# Altium PCB smart.PcbDoc (part 1 of 5) (continued)
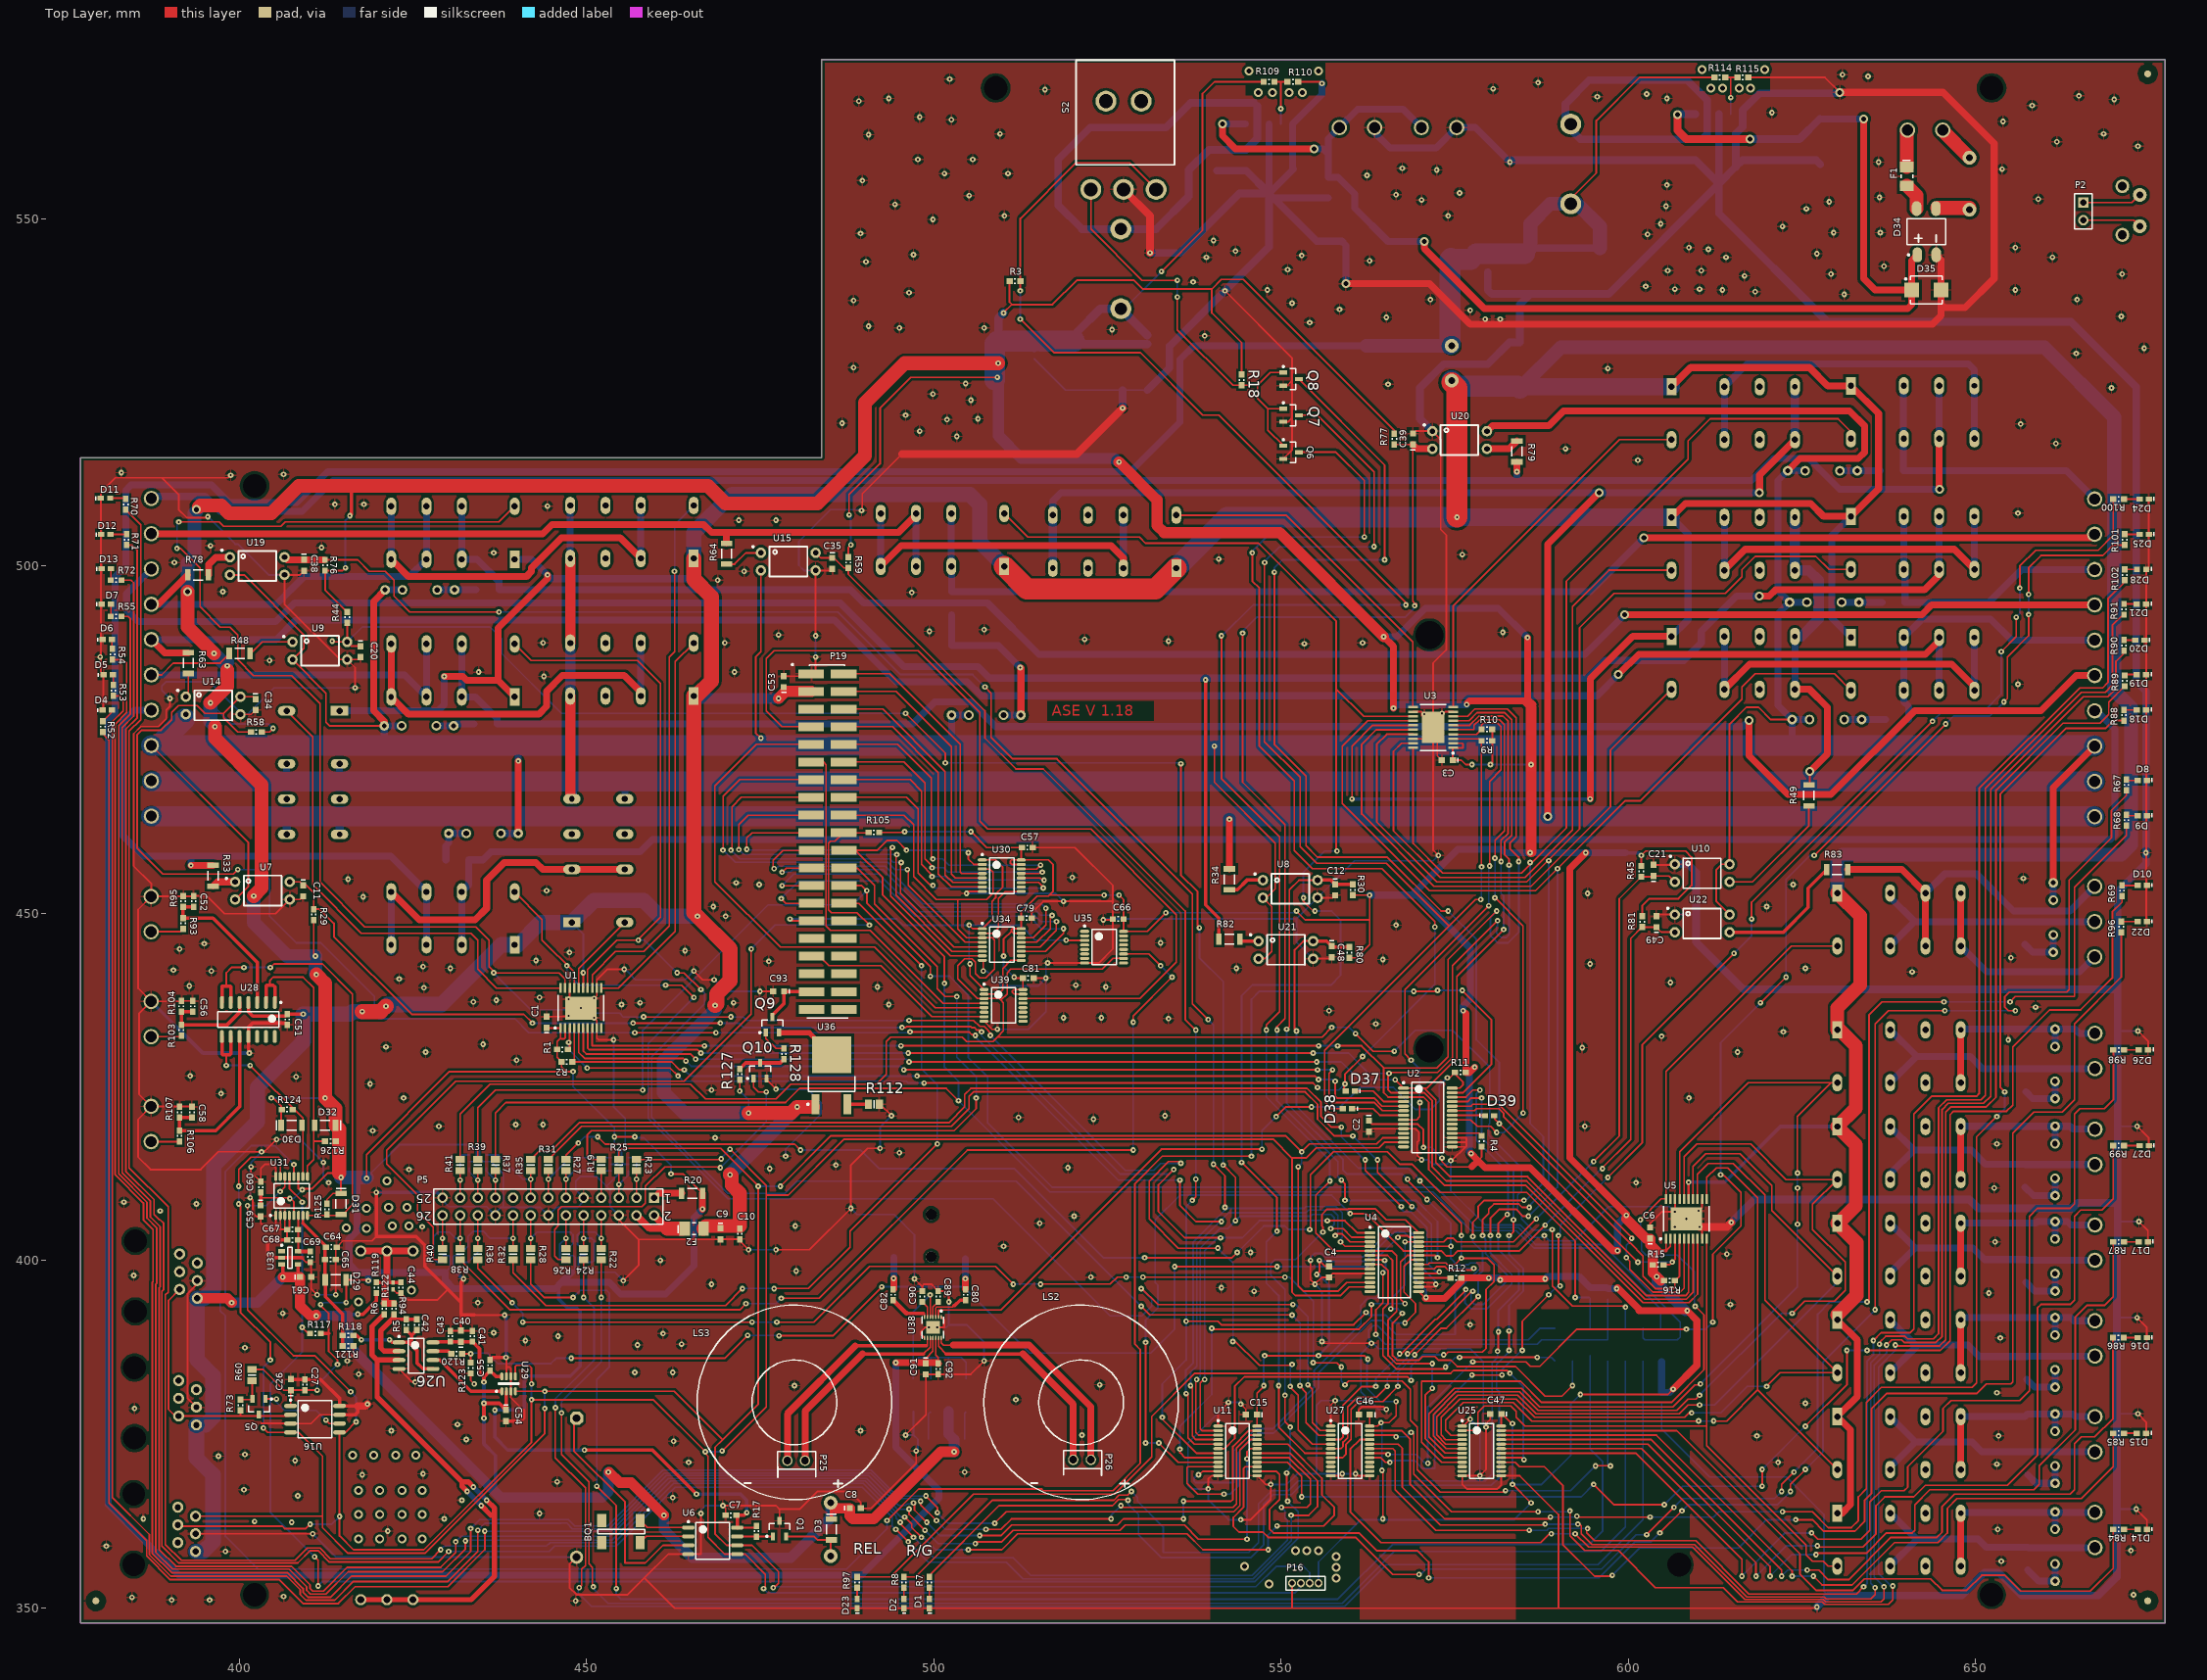
[diagram p0: Top Layer view]
## Components (designator, comment, footprint, x,y, rotation, side; value= is the part's Value field where it differs from the comment) (continued)
R20 "Res" 1206 465.201,409.702 r0 top
R22 "Res" 6-0805_L 452.12,400.939 r270 top
R23 "Res" 6-0805_L 457.2,413.766 r270 top
R24 "Res" 6-0805_L 449.58,400.939 r270 top
R25 "Res" 6-0805_L 454.66,413.766 r270 top
R26 "Res" 6-0805_L 447.04,400.939 r270 top
R27 "Res" 6-0805_L 447.04,413.766 r270 top
R28 "Res" 6-0805_L 441.96,400.939 r270 top
R29 "Resistor" 0603 410.718,449.834 r90 top
R30 "Resistor" 0603 560.324,453.39 r90 top
R31 "Res" 6-0805_L 444.5,413.766 r270 top
R32 "Res" 6-0805_L 439.42,400.939 r270 top
R33 "Resistor" 1206 396.24,455.422 r270 top
R34 "Resistor" 1206 542.544,454.914 r270 top
R35 "Res" 6-0805_L 441.96,413.766 r270 top
R36 "Res" 6-0805_L 434.34,400.939 r270 top
R37 "Res" 6-0805_L 436.88,413.766 r270 top
R38 "Res" 6-0805_L 431.8,400.939 r270 top
R39 "Res" 6-0805_L 434.34,413.766 r270 top
R40 "Res" 6-0805_L 429.26,400.939 r270 top
R41 "Res" 6-0805_L 431.8,413.766 r270 top
R42 "Res" RESMELF3614N 657.098,447.167 r90 bottom
R43 "Res" RESMELF3614N 637.921,513.715 r0 bottom
R44 "Resistor" 0603 415.544,492.633 r270 top
R45 "Resistor" 0603 601.853,456.057 r270 top
R46 "Res" RESMELF3614N 431.419,457.708 r0 bottom
R47 "Res" RESMELF3614N 657.479,357.124 r90 bottom
R48 "Resistor" 1206 400.05,487.426 r0 top
R49 "Resistor" 1206 625.983,466.979 r270 top
R50 "Res" RESMELF3614N 435.483,477.266 r0 bottom
R51 "Res" RESMELF3614N 657.479,370.84 r90 bottom
R52 "Res" 0603 380.365,476.885 r270 top
R53 "Res" 0603 381.889,482.092 r270 top
R54 "Res" 0603 381.762,487.299 r270 top
R55 "Res" 0603 382.27,492.76 r0 top
R56 "Res" RESMELF3614N 638.683,477.901 r0 bottom
R57 "Res" RESMELF3614N 657.352,384.556 r90 bottom
R58 "Resistor" 0603 402.463,476.123 r180 top
R59 "Resistor" 0603 487.68,500.507 r270 top
R60 "Resistor" 6-0805_L 401.828,383.54 r270 top
R61 "Res" RESMELF3614N 435.737,496.57 r0 bottom
R62 "Res" RESMELF3614N 657.225,398.526 r90 bottom
R63 "Resistor" 1206 392.684,486.029 r270 top
R64 "Resistor" 1206 470.154,501.777 r270 top
R65 "Res" RESMELF3614N 638.175,494.792 r0 bottom
R66 "Res" RESMELF3614N 657.098,412.242 r90 bottom
R67 "Res" 0603 671.703,468.503 r90 top
R68 "Res" 0603 671.703,463.423 r90 top
R69 "Res" 0603 671.068,453.263 r90 top
R70 "Res" 0603 383.667,508.889 r90 top
R71 "Res" 0603 383.794,503.809 r90 top
R72 "Res" 0603 382.27,497.967 r180 top
R73 "Resistor" 0603 400.177,379.222 r270 top
R74 "Res" RESMELF3614N 502.539,494.665 r90 bottom
R75 "Res" RESMELF3614N 657.225,425.958 r90 bottom
R76 "Resistor" 0603 412.369,500.126 r90 top
R77 "Resistor" 0603 566.293,518.287 r270 top
R78 "Resistor" 1206 394.081,498.729 r0 top
R79 "Resistor" 1206 583.946,516.509 r90 top
R80 "Resistor" 0603 559.816,444.373 r90 top
R81 "Resistor" 0603 601.98,448.818 r270 top
R82 "Resistor" 1206 542.544,446.278 r0 top
R83 "Resistor" 1206 630.047,456.311 r180 top
R84 "Res" 0603 670.56,361.315 r180 top
R85 "Res" 0603 670.56,375.158 r180 top
R86 "Res" 0603 670.533,388.92 r180 top
R87 "Res" 0603 670.56,402.717 r180 top
R88 "Res" 0603 671.322,478.536 r270 top
R89 "Res" 0603 671.449,483.489 r270 top
R90 "Res" 0603 671.322,488.569 r270 top
R91 "Res" 0603 671.322,493.776 r270 top
R93 "Res" 0603 391.922,448.564 r270 top
R94 "Resistor" 0603 422.275,393.065 r90 top
R95 "Resistor" 0603 391.922,451.739 r90 top
R96 "Res" 0603 670.941,448.056 r90 top
R97 "Res" 0603 488.95,353.695 r270 top
R98 "Res" 0603 670.587,430.357 r0 top
R99 "Res" 0603 670.56,416.56 r0 top
R100 "Res" 0603 670.56,509.651 r0 top
R101 "Res" 0603 671.449,503.809 r90 top
R102 "Res" 0603 671.449,498.729 r90 top
R103 "Res" 0603 391.668,433.197 r270 top
R104 "Resistor" 0603 391.668,436.626 r90 top
R105 "Resistor" 0603 491.363,461.645 r180 top
R106 "Res" 0603 391.414,417.957 r270 top
R107 "Resistor" 0603 391.414,421.386 r90 top
R109 "Res" 0603 548.259,569.722 r0 top
R110 "Resistor" 0603 551.688,569.722 r180 top
R112 "Res" 6-0805_L 491.363,422.529 r180 top
R113 "Resistor" 0603 503.682,374.269 r0 bottom
R114 "Res" 0603 613.156,570.357 r0 top
R115 "Resistor" 0603 616.458,570.357 r180 top
R116 "Resistor" 0603 498.475,374.269 r180 bottom
R117 "Resistor" 0603 410.972,389.509 r180 top
R118 "Resistor" 0603 415.671,389.255 r0 top
R119 "Resistor" 0603 419.735,396.113 r90 top
R120 "Resistor" 0603 431.292,386.588 r180 top
R121 "Resistor" 0603 415.671,387.731 r180 top
R122 "Blob" 0402 422.148,396.367 r270 top
R123 "Resistor" 0603 433.324,384.556 r90 top
R124 "Res" 0603 406.908,421.767 r180 top
R125 "Res" 0603 412.623,407.416 r90 top
R126 "Res" 0603 413.131,417.195 r0 top
R127 "Res" 0603 472.059,426.847 r270 top
R128 "Res" 0603 478.409,429.768 r270 top
RT1 "Thermistor" MF72-010D11 649.097,558.8 r270 bottom
S1 "Button Button" BUTTON 673.608,551.18 r270 bottom
S2 "SW-SPDT" R_SPDT 527.304,554.228 r0 top
U1 "Driver" TSOP65P650X110_HS-20L 449.199,436.372 r90 top
U2 "Register" SOP65P780X200_HS-28L 571.119,420.624 r0 top
U3 "Driver" TSOP65P650X110_HS-20L 571.881,476.758 r180 top
U4 "Register" SOP65P780X200_HS-28L 566.293,399.796 r0 top
U5 "Driver" TSOP65P650X110_HS-20L 608.33,406.019 r90 top
U6 "DS1338" SOIC8 475.234,355.854 r0 top
U7 "TLP620" TLP620 399.415,454.533 r0 top
U8 "TLP620" TLP620 547.37,454.787 r0 top
U9 "TLP620" TLP620 407.67,489.077 r0 top
U10 "TLP620" TLP620 614.553,454.533 r180 top
U11 "SN74LVC828ADGVR" 24-TFSOP 543.736,372.618 r0 top
U12 "CM1293A-04SO" SC74 454.787,413.893 r180 bottom
U13 "CM1293A-04SO" SC74 448.618,400.739 r180 bottom
U14 "TLP620" TLP620 392.303,481.203 r0 top
U15 "TLP620" TLP620 475.107,501.904 r0 top
U16 "DS2482S-100" SOIC8 417.957,373.38 r0 top
U17 "CM1293A-04SO" SC74 434.34,414.274 r180 bottom
U18 "CM1293A-04SO" SC74 430.584,400.739 r180 bottom
U19 "TLP620" TLP620 398.653,501.269 r0 top
U20 "TLP620" TLP620 579.628,516.89 r180 top
U21 "TLP620" TLP620 546.735,446.024 r0 top
U22 "TLP620" TLP620 614.553,447.294 r180 top
U25 "SN74LVC828ADGVR" 24-TFSOP 578.866,372.618 r0 top
U26 "TLC272BCDR" SO8 425.45,386.334 r0 top
U27 "SN74LVC828ADGVR" 24-TFSOP 559.943,372.618 r0 top
U28 "LMC660" SOIC14 401.32,434.721 r270 top
U29 "AD5245" SOT23-8 438.785,382.27 r90 top
U30 "74HC4094" 16TSSOP 509.778,455.422 r0 top
U31 "AD7993" 16TSSOP 407.543,409.321 r90 top
U32 "LM2576" DDPAK 548.259,557.403 r270 bottom
U33 "LM4132AMF-3.3/NOPB" SOT23-5 407.289,400.431 r0 top
U34 "74HC4094" 16TSSOP 509.778,445.516 r0 top
U35 "74HC4040" 16TSSOP 524.51,445.135 r0 top
U36 "NSI45060" DPAK3 485.267,426.72 r90 top
U37 "LM2576" DDPAK 613.029,558.8 r270 bottom
U38 "MAX98306" TDFN14 499.872,390.398 r270 top
U39 "74HC4094" 16TSSOP 510.032,436.753 r0 top
U40 "TGS5042" TGS5042-A00 421.259,376.301 r180 bottom

## Footprints (in the part's own frame and the unit in brackets; to place one, negate y for a bottom-side part, rotate by r counter-clockwise, add the part's x,y. Pads: shape width x height; smd on the part's side, far side on the other; paste and mask are expansions set on the pad)
2pin_socket [mm] "therminal blocks header"
  round 2.2 hole 1.6: 1(-0.04,-0.02) 2(5.04,-0.02)
  silkscreen extent -2.65,-9.98 7.75,2.05, body extent -2.65,-9.96 7.69,2.05, height 8.1
3pin_socket [mm] "therminal blocks header"
  round 2.2 hole 1.6: 1(0,0) 2(5.08,0) 3(10.16,0)
  silkscreen extent -2.61,-9.94 12.75,2.07, body extent -2.61,-9.94 12.72,2.07, height 8.1
6-0805_L [mm] "Chip Resistor, Body 2.0x1.2mm, IPC High Density"
  rect 1x1.3 smd: 1(-0.8,0) 2(0.8,0)
  silkscreen extent 0,-0.55 0,0.55, body extent -1.07,-0.7 1.07,0.7, height 0.7
10pin_socket [mm] "therminal blocks header"
  round 2.2 hole 1.6: 1(0,0) 2(5.08,0) 3(10.16,0) 4(15.24,0) 5(20.32,0) 6(25.4,0) 7(30.48,0) 8(35.56,0) 9(40.64,0) 10(45.72,0)
  silkscreen extent -2.61,-9.94 48.25,2.07, body extent -2.61,-9.94 48.23,2.07, height 8.1
16TSSOP [mm]
  oval 1.3x0.45 smd: 1(-2.8,2.275) 2(-2.8,1.625) 3(-2.8,0.975) 4(-2.8,0.325) 5(-2.8,-0.325) 6(-2.8,-0.975) 7(-2.8,-1.625) 8(-2.8,-2.275) 9(2.8,-2.275) 10(2.8,-1.625) 11(2.8,-0.975) 12(2.8,-0.325) 13(2.8,0.325) 14(2.8,0.975) 15(2.8,1.625) 16(2.8,2.275)
  silkscreen extent -2.92,-2.55 1.75,3.17, body extent -2.25,-2.55 2.25,2.55, height 1.2
24-TFSOP [mm]
  oval 1.4x0.45 smd: 1(-2.8,3.575) 2(-2.8,2.925) 3(-2.8,2.275) 4(-2.8,1.625) 5(-2.8,0.975) 6(-2.8,0.325) 7(-2.8,-0.325) 8(-2.8,-0.975) 9(-2.8,-1.625) 10(-2.8,-2.275) 11(-2.8,-2.925) 12(-2.8,-3.575) 13(2.8,-3.575) 14(2.8,-2.925) 15(2.8,-2.275) 16(2.8,-1.625) 17(2.8,-0.975) 18(2.8,-0.325) 19(2.8,0.325) 20(2.8,0.975) 21(2.8,1.625) 22(2.8,2.275) 23(2.8,2.925) 24(2.8,3.575)
  silkscreen extent -2.92,-3.95 1.7,4.47, body extent -2.25,-3.95 2.25,3.95, height 1.2
0402 [mm] "Chip Capacitor, Body 1.0x0.5mm, IPC High Density"
  rect 0.6x0.5 smd: 1(-0.5,0) 2(0.5,0)
  body extent -0.55,-0.3 0.55,0.3, height 1.3
0603 [mm] "0603, 2-Leads, Body 1,6x0,8mm, IPC High Density"
  rect 0.9x0.8 smd: 1(-0.775,0) 2(0.775,0)
  silkscreen extent -0.1,-0.3 0.1,0.3, body extent -0.8,-0.4 0.8,0.4, height 0.5
1206 [mm] "1206, 2-Leads, Body 3,2x1,6mm, IPC High Density"
  rect 0.8x1.65 smd: 1(-1.5,0) 2(1.5,0)
  silkscreen extent -0.7,-0.72 0.7,0.72, body extent -1.6,-0.8 1.6,0.8, height 0.5
AS02808MR [mm] "SPEAKER 8OHM 1W 80DB 28MM"
  silkscreen extent -14,-14 14,14
audio [mm] "CONN JACK STEREO 3POS 3.5MM SMD"
  rect 2.9x1.75 smd: 1(-3.05,5.35)
  rect 2.9x2.25 smd: 2(3.3,-4.925)
  rect 2.1x1.75 smd: 3(3.15,5.4)
  rect 2.4x2.25 smd: 4(-1.1,-4.925)
  rect 1.8x1.75 smd: 5(0.25,5.4)
  round 1.6 hole 1.6: 7(-3.05,0) 8(3.05,0)
  silkscreen extent -7.4,-4.52 5.2,5, body extent -7.27,-4.4 5.07,4.87, height 5
az8222 [mm] "DPDT relay"
  rect 2.5x1.4 hole 0.9: 1(0.85,12.3)
  oval 2.5x1.4 hole 0.9: 4(0.85,4.68) 6(0.85,-0.4) 9(8.47,-5.475) 11(8.47,-0.4) 13(8.47,4.68) 16(8.47,12.3)
  oval 2.5x1.4 hole 0.8: 8(0.85,-5.475)
  silkscreen extent 2.94,-6.07 6.39,13.57, body extent 0.1,-6.75 9.25,14.25, height 11.5
B32521C3104K [mm] "CAP FILM 0.1UF 250VDC RADIAL"
  round 1.4 hole 0.7: 1(0,0) 2(10,0)
  round 1.4 hole 0.8: 1(2.5,0) 2(7.5,0)
  silkscreen extent -1.53,-2.07 11.53,2.02, body extent -1.53,-2.05 11.55,2.02, height 7
BAT_CON [mm]
  round 1.5 hole 1.1: 1(0,0) 2(2.54,0)
  silkscreen extent -1.55,-1.33 3.92,1.25
BS-3 [mm] "Lithium battery CR2032 holder"
  oct 1.9x1.9 hole 1.1: 1(0,0)
  round 1.9 hole 1.1: 2(20,0)
  silkscreen extent -2.4,-11.5 25,11.5, body extent -2.4,-11.55 25.03,11.4, height 6.75
BUTTON [mm] "SWITCH TACTILE SPST-NO 0.05A 12V"
  round 2 hole 1: 1(-2.25,0) 2(2.25,0)
  round 2 hole 1.3: 3(-3.5,2.5) 4(3.5,2.5)
  silkscreen extent -4.23,-3.67 4.23,4.1, body extent -4.1,-3.55 4.1,3.98, height 7.1
C0805 [mm] "Molded Capacitor, 2-Leads, Body 2,0x1,3mm, IPC High Density"
  rect 0.9x0.85 smd: 1(-0.8,0) 2(0.8,0)
  silkscreen extent -1.55,-0.33 -1.55,0.33, body extent -1,-0.63 1,0.63, height 1.1
C1206 [mm]
  rect 1.5x2 smd: 1(-1.325,0) 2(1.375,0)
  silkscreen extent -2.29,-0.85 0.25,0.85, body extent -1.6,-0.8 1.6,0.8, height 1.7
CDBHM2100L-HF [mm] "BRIDGE RECTIFIER 100V 2A MBS2"
  oval 2.15x1.4 smd: 1(-4.21,2.56) 2(2.44,2.65) 3(-4.22,-0.17) 4(2.44,-0.12)
  silkscreen extent -4.33,-1.55 0.97,4.01, body extent -2.95,-1.66 1.15,4.03, height 2.7
CEP2242 [mm] "BUZZER PIEZO 12V 13.7MM RADIAL"
  round 2 hole 1: 1(0,3.825) 2(0,-3.825)
  silkscreen extent -6.85,-6.85 6.85,6.85, body extent -6.8,-6.84 6.85,6.84, height 7.6
CON8 [mm] "CONN HEADER 8POS .100\" VERT TIN"
  rect 3.68x1.27 smd: 1(-2.345,3.78) 2(2.33,3.78) 3(-2.345,1.24) 4(2.33,1.24) 5(-2.345,-1.3) 6(2.33,-1.3) 7(-2.345,-3.84) 8(2.33,-3.84)
  silkscreen extent -4.52,-5.12 2.86,5.81, body extent -2.54,-4.98 2.54,4.84, height 7
CON40 [mm] "CONN FMALE 40POS DL .1\" GOLD SMD"
  rect 3.68x1.27 smd: 1(-2.285,11.42) 2(2.39,11.42) 3(-2.285,8.88) 4(2.39,8.88) 5(-2.285,6.34) 6(2.39,6.34) 7(-2.285,3.8) 8(2.39,3.8) 9(-2.285,1.26) 10(2.39,1.26) 11(-2.285,-1.28) 12(2.39,-1.28) 13(-2.285,-3.82) 14(2.39,-3.82) 15(-2.285,-6.36) 16(2.39,-6.36) 17(-2.285,-8.92) 18(2.39,-8.92) 19(-2.285,-11.46) 20(2.39,-11.46) 21(-2.235,-14.005) 22(2.44,-14.005) 23(-2.235,-16.545) 24(2.44,-16.545) 25(-2.235,-19.085) 26(2.44,-19.085) 27(-2.235,-21.625) 28(2.44,-21.625) 29(-2.235,-24.165) 30(2.44,-24.165) 31(-2.235,-26.705) 32(2.44,-26.705) 33(-2.235,-29.245) 34(2.44,-29.245) 35(-2.235,-31.785) 36(2.44,-31.785) 37(-2.235,-34.345) 38(2.44,-34.345) 39(-2.235,-36.885) 40(2.44,-36.885)
  silkscreen extent -5.11,-38.18 3,12.86, body extent -2.55,-38.18 2.53,12.69, height 7
D0603 [mm] "Molded Diode, 2-Leads, Body 1,7x0,9mm, IPC High Density"
  rect 0.9x0.75 smd: 1(-0.675,0) 3(0.675,0)
  silkscreen extent -1.43,-0.28 -1.43,0.28, body extent -0.9,-0.5 0.9,0.5, height 0.85
D1206 [mm] "1206, 2-Leads, Body 3,2x1,6mm, IPC High Density"
  rect 0.8x1.65 smd: 1(-1.5,0) 3(1.5,0)
  silkscreen extent -2.2,-0.72 0.7,0.72, body extent -1.6,-0.8 1.6,0.8, height 0.5
DDPAK [mm] "D2-PAK, 6-Pads, Body 8,7x10,2mm (max), IPC Medium Density"
  rect 2.9x1.1 smd: 1(-6.25,3.4) 2(-6.25,1.7) 3(-6.25,0) 4(-6.25,-1.7) 5(-6.25,-3.4)
  rect 7.9x11 smd: 6(3.75,0)
  silkscreen extent -6.37,-5.1 -0.6,5.1, body extent -2.7,-5.1 6,5.1, height 4.6
DO214AA [mm] "Molded Diode, 2-Leads, Body 4,3x3,6mm, IPC High Density"
  rect 2.1x2.05 smd: 1(-2.1,0) 3(2.15,0)
  silkscreen extent -3.07,-2 2.3,2, body extent -2.29,-1.97 2.28,1.97, height 2.44
DPAK3 [mm] "IC LED DRVR SBT CCR DPAK"
  rect 2.85x1.1 smd: 1(-4.2,2.29) 3(-4.2,-2.29)
  rect 5.3x5.65 smd: 4(2.9,0)
  silkscreen extent -4.32,-3.35 -0.15,3.51, body extent -2.35,-3.37 3.87,3.37, height 2.38
GRPB041VWCN_RC [mm] "CONN HEADER .050\" 4POS PCB R/A"
  oval 1.1x1.2 hole 0.7: 1(0,0) 2(1.275,0) 3(2.55,0) 4(3.825,0)
  silkscreen extent -0.87,-0.97 4.75,0.97, body extent -0.79,-4.82 4.64,-0.62, height 2.14
HDR1X2 [mm] "Connector; Header; 2 Position"
  rect 1.5x1.5 hole 0.9: 1(0,0)
  round 1.5 hole 0.9: 2(2.54,0)
  silkscreen extent -1.27,-1.27 3.81,1.27
HDR2X13 [mm] "Connector; Header; 13x2 Position"
  rect 1.5x1.5 hole 0.9: 1(0,0)
  round 1.5 hole 0.9: 2(0,2.54) 3(2.54,0) 4(2.54,2.54) 5(5.08,0) 6(5.08,2.54) 7(7.62,0) 8(7.62,2.54) 9(10.16,0) 10(10.16,2.54) 11(12.7,0) 12(12.7,2.54) 13(15.24,0) 14(15.24,2.54) 15(17.78,0) 16(17.78,2.54) 17(20.32,0) 18(20.32,2.54) 19(22.86,0) 20(22.86,2.54) 21(25.4,0) 22(25.4,2.54) 23(27.94,0) 24(27.94,2.54) 25(30.48,0) 26(30.48,2.54)
  silkscreen extent -1.27,-1.27 31.75,3.81
IND22 [mm] "INDUCTOR 20UH 2.6A 8095 RAD"
  round 2 hole 1: 1(-2.5,0) 2(2.5,0)
  silkscreen extent -3.9,-3.9 3.9,3.9, body extent -3.87,-3.89 3.9,3.89, height 9.5
JTAG14 [mm] "JTAG, 14-Leads, Body 25,4x5,1mm (max), Pitch 2,54mm, IPC High Density"
  rect 3.68x1.27 smd: 1(-2.275,11.43) 2(2.4,11.43) 3(-2.275,8.89) 4(2.4,8.89) 5(-2.275,6.35) 6(2.4,6.35) 7(-2.275,3.81) 8(2.4,3.81) 9(-2.275,1.27) 10(2.4,1.27) 11(-2.275,-1.27) 12(2.4,-1.27) 13(-2.275,-3.81) 14(2.4,-3.81)
  silkscreen extent -5.1,-5.3 2.55,12.88, body extent -2.54,-5.23 2.54,12.7, height 7
KM_4 [mm] "INDUCTOR PWR TOROID 100UH T/H"
  round 3 hole 1.8: 1(0,0) 2(11.47,0)
  silkscreen extent -2.01,-12.32 13.49,12.32, body extent -2,-12.31 13.46,12.28, height 28
LED0603 [mm] "Molded Diode, 2-Leads, Body 1,7x0,9mm, IPC High Density"
  rect 0.9x0.75 smd: 1(-0.675,0) 2(0.675,0)
  silkscreen extent 1.4,-0.23 1.4,0.32, body extent -0.9,-0.5 0.9,0.5, height 0.85
MF72-010D11 [mm]
  round 2 hole 1: 1(0,0) 2(7.5,0)
  silkscreen extent -1.33,-2.75 8.8,2.83, body extent -1.2,-2.63 8.67,2.7, height 14
R_SPDT [mm] "SWITCH ROCKER SPDT 5A 120V"
  round 3 hole 2: 1(-4.7,0) 2(0,0) 3(4.7,0) 4(-2.525,12.7) 5(2.55,12.7)
  silkscreen extent -6.83,3.52 7.33,18.57, body extent -6.88,3.55 7.27,26.27, height 9.27
RESMELF3614N [mm] "MELF Resistor, 2-Leads, Body 3,6x1,4mm, IPC Medium Density"
  rect 1.25x1.65 smd: 1(-1.65,0) 2(1.65,0)
  silkscreen extent -0.65,-0.82 0.65,0.82, body extent -1.8,-0.7 1.8,0.7, height 1.4
RJ11 [mm] "CONN MOD JACK R/A 6P6C"
  round 1.6 hole 0.9: 1(-3.175,8.9) 2(-1.9,6.35) 3(-0.625,8.9) 4(0.65,6.35) 5(1.9,8.9) 6(3.2,6.35)
  round 1.524 hole 3.3: 9(-5.075,0) 9(5.075,0)
  silkscreen extent -6.7,-7.75 6.7,8.9, body extent -6.58,-7.63 6.58,8.75, height 12.7
SC74 [mm]
  rect 0.85x0.65 smd: 1(-1.225,0.95) 2(-1.225,0) 3(-1.225,-0.95) 4(1.225,-0.95) 5(1.225,0) 6(1.225,0.95)
  silkscreen extent -1.35,-1.5 0.4,1.95, body extent -0.75,-1.5 0.75,1.5, height 1
SO8 [mm] "SOIC, 8-Leads, Body 5,0x4,0mm (max), Pitch 1,27mm, IPC High Density"
  oval 1.85x0.6 smd: 1(-2.45,1.905) 2(-2.45,0.635) 3(-2.45,-0.635) 4(-2.45,-1.905) 5(2.45,-1.905) 6(2.45,-0.635) 7(2.45,0.635) 8(2.45,1.905)
  silkscreen extent -2.57,-2.5 1.12,2.88, body extent -2,-2.5 2,2.5, height 1.75
SOIC8 [mm] "SOIC, 8-Leads, Body 5,3x5,3mm (max), Pitch 1,27mm, IPC High Density"
  oval 1.8x0.6 smd: 1(-10.575,5.715) 2(-10.575,4.445) 3(-10.575,3.175) 4(-10.575,1.905) 5(-3.525,1.905) 6(-3.525,3.175) 7(-3.525,4.445) 8(-3.525,5.715)
  silkscreen extent -10.7,1.16 -4.62,6.69, body extent -9.7,1.16 -4.4,6.46, height 2.65
SOIC14 [mm]
  oval 1.85x0.6 smd: 1(-2.45,3.81) 2(-2.45,2.54) 3(-2.45,1.27) 4(-2.45,0) 5(-2.45,-1.27) 6(-2.45,-2.54) 7(-2.45,-3.81) 8(2.45,-3.81) 9(2.45,-2.54) 10(2.45,-1.27) 11(2.45,0) 12(2.45,1.27) 13(2.45,2.54) 14(2.45,3.81)
  silkscreen extent -2.57,-4.4 1.12,4.79, body extent -2,-4.38 2,4.38, height 1.75
SOJ4 [mm] "CRYSTAL 32.768KHZ 12.5PF SMD"
  rect 1.9x1.3 smd: 1(-1.15,4.6) 2(-1.175,-0.95) 3(2,-0.95) 4(2,4.6)
  silkscreen extent -2.8,-1.5 0.77,5.88, body extent -0.87,-1.6 1.8,5.3, height 2.9
SOP65P780X200_HS-28L [mm] "SOP, 28-Leads, Body 10,2x5,3mm (max), Pitch 0,65mm, IPC High Density"
  oval 1.6x0.45 smd: 1(-3.5,4.225) 2(-3.5,3.575) 3(-3.5,2.925) 4(-3.5,2.275) 5(-3.5,1.625) 6(-3.5,0.975) 7(-3.5,0.325) 8(-3.5,-0.325) 9(-3.5,-0.975) 10(-3.5,-1.625) 11(-3.5,-2.275) 12(-3.5,-2.925) 13(-3.5,-3.575) 14(-3.5,-4.225) 15(3.5,-4.225) 16(3.5,-3.575) 17(3.5,-2.925) 18(3.5,-2.275) 19(3.5,-1.625) 20(3.5,-0.975) 21(3.5,-0.325) 22(3.5,0.325) 23(3.5,0.975) 24(3.5,1.625) 25(3.5,2.275) 26(3.5,2.925) 27(3.5,3.575) 28(3.5,4.225)
  silkscreen extent -3.62,-5.1 2.3,5.12, body extent -2.65,-5.1 2.65,5.1, height 2
SOT23-5 [mm] "SOT23, 5-Leads, Body 3,0x3,0mm (max), Pitch 0,95mm, IPC High Density"
  rect 0.95x0.6 smd: 1(-1.175,0.95) 2(-1.175,0) 3(-1.175,-0.95) 4(1.175,-0.95) 5(1.175,0.95)
  silkscreen extent -1.3,-1.5 0.3,1.92, body extent -0.87,-1.5 0.88,1.5, height 1.45
SOT23-8 [mm]
  oval 1.15x0.45 smd: 1(-1.075,0.975) 2(-1.075,0.325) 3(-1.075,-0.325) 4(-1.075,-0.975) 5(1.075,-0.975) 6(1.075,-0.325) 7(1.075,0.325) 8(1.075,0.975)
  silkscreen extent -1.2,-1.45 0.1,1.87, body extent -0.8,-1.45 0.8,1.45, height 1.3
SOT-23_N [mm] "SOT23, 3-Leads, Body 2.9x1.3mm, Pitch 0.95mm, Lead Span 2.5mm, IPC Medium Density"
  rect 1.15x0.6 smd: 1(-1.125,0.95) 2(-1.125,-0.95) 3(1.125,0)
  silkscreen extent -1.25,-1.5 0.7,1.92, body extent -0.7,-1.5 0.7,1.5, height 1.1
TDFN14 [mm] "IC AMP AUDIO 3.7W STER D 14TDFN"
  oval 0.6x0.2 smd: 1(-1.5,1.2) 2(-1.5,0.8) 3(-1.5,0.4) 4(-1.5,0) 5(-1.5,-0.4) 6(-1.5,-0.8) 7(-1.5,-1.2) 8(1.5,-1.2) 9(1.5,-0.8) 10(1.5,-0.4) 11(1.5,0) 12(1.5,0.4) 13(1.5,0.8) 14(1.5,1.2)
  rect 1.8x2 smd: 15(0,0)
  silkscreen extent -2.47,-1.55 1.55,1.55, body extent -1.55,-1.55 1.55,1.55, height 0.8
TGS5042-A00 [mm]
  round 1.6 hole 1: 0(-3.764,25.1) 0(0,25.1) 0(3.764,25.1) 1(-3.764,-25.1) 1(0,-25.1) 1(3.764,-25.1)
  silkscreen extent -7.1,-23.5 7.1,23.67, body extent -7.07,-23.48 7.05,21.32, height 14
TLP620 [mm] "OPTOISOLATR 5KV TRANSISTOR 4-DIP"
  round 1.5 hole 0.8: 1(0,0) 2(0,-2.54) 3(7.87,-2.54) 4(7.87,0)
  silkscreen extent 1.25,-3.42 6.69,0.91, body extent 1.25,-3.4 6.7,0.9, height 3.7
TSOP65P650X110_HS-20L [mm] "TSOP, 20-Leads, Body 6,6x4,5mm (max), Pitch 0,65mm, IPC High Density"
  rect 1.4x0.35 smd: 1(-2.875,2.925) 2(-2.875,2.275) 3(-2.875,1.625) 4(-2.875,0.975) 5(-2.875,0.325) 6(-2.875,-0.325) 7(-2.875,-0.975) 8(-2.875,-1.625) 9(-2.875,-2.275) 10(-2.875,-2.925) 11(2.875,-2.925) 12(2.875,-2.275) 13(2.875,-1.625) 14(2.875,-0.975) 15(2.875,-0.325) 16(2.875,0.325) 17(2.875,0.975) 18(2.875,1.625) 19(2.875,2.275) 20(2.875,2.925)
  rect 3.3x4.5 smd: 21(0,0)
  silkscreen extent -3,-3.3 1.85,3.82, body extent -2.25,-3.3 2.25,3.3, height 1.1
UUR1H330MCL1GS [mm] "CAP ALUM 33UF 50V 20% SMD"
  rect 2.5x3.8 smd: 1(0.025,3.375) 2(0.025,-3.25)
  silkscreen extent -4.28,-3.58 4.32,4.02, body extent -4.23,-4.72 4.27,4.98, height 10.3

## Part data
BAT1: library part Battery, "Battery holder"
BQ1: library part 6LC:308C, "CRYSTAL 32.768KHZ 12.5PF SMD"
C1 C2 C3 C4 C5 C6 C8 C9 C11 C12 C15 C20 C21 C26 C34 C35 C38 C39 C40 C46 C47 C48 C49 C53 C54 C59 C61 C91 C93: library part Cap, "CAP CER 10UF 10V 20% X5R 0805"
C7 C10 C27 C41 C51 C55 C57 C60 C66 C78 C79 C81 C87 C92: library part Cap, "CAP CER 0.1UF 50V Y5V 0603"
C13 C14 C16 C17 C22 C23 C24 C25 C28 C29 C30 C31 C36 C37: library part Cap, "CAP FILM 0.1UF 250VDC RADIAL"
C18 C19 C32 C33: library part Cap, "CAP CER 0.22UF 50V 10% X7R 0603"
C42 C44: library part Cap, "CAP CER 22UF 6.3V 10% X5R 0603"
C43 C52 C56 C58 C64: library part Cap, "CAP CER 100PF 100V 5% NP0 0603"
C65 C67: library part Cap, "CAP CER 10PF 50V NP0 0603"
C68 C80 C82 C89 C90: library part Cap, "CAP CER 1UF 10V 10% X5R 0603"
C69: library part Cap, "CAP CER 0.1UF 50V 10% X7R 0603"
C70 C83: library part CAP0810Alu, "CAP ALUM 220UF 50V 20% SMD"
C71 C84: library part Cap, "CAP CER 0.1UF 100V 10% X7R 1206"
C76 C77 C85 C86: library part CAP0810Alu, "CAP ALUM 470UF 16V 20% SMD"
C88: library part CAP0810Alu, "CAP ALUM 100UF 35V 20% SMD"
D1 D11 D12 D23 D24 D25: library part LED0, "LED RED CLEAR 0603 SMD"
D2 D6 D10 D20 D22: library part LED0, "LED GREEN CLEAR THIN 0603 SMD"
D3 D29 D30 D31 D32 D33 D36: library part "Diode 10TQ035", "DIODE SCHOTTKY 100V 1A 1206"
D4 D5 D7 D13 D18 D19 D21 D28: library part LED0, "LED BLUE CLEAR THIN 0603 SMD"
D8 D9: library part LED0, "LED YELLOW CLEAR THIN 0603 SMD"
D14 D15 D16 D17 D26 D27: library part LED0, "LED  ORAN CLR THIN 0603 SMD"
D34: library part Bridge1, "BRIDGE RECTIFIER 100V 2A MBS2"
D35: library part "Diode 10TQ035", "TVS DIODE 51VWM 82.4VC SMB"
D37 D38 D39: library part "Diode 10TQ035", "DIODE SCHOTTKY 40V 0.03A 0603"
F1 F2: library part "Fuse 2", "FUSE 2A 63V 1206 SLOW C1S"
J1: "CONN JACK STEREO 3POS 3.5MM SMD"
K1 K2 K3 K4 K5 K6 K7 K8 K9 K10 K11 K12 K13 K14 K15 K16 K17 K18 K19 K20 K21 K22: "5V 2A Relay"
L1 L2: "INDUCTOR PWR TOROID 100UH T/H"
L3: "INDUCTOR 20UH 2.6A 8095 RAD"
LS1: "BUZZER PIEZO 12V 13.7MM RADIAL"
LS2 LS3: "SPEAKER 8OHM 1W 80DB 28MM"
P1: "CONN FEMALE 14POS DL .1\" TIN SMD"
P2: "CONN HDR BRKWAY .100 2POS VERT"
P3 P4: "TERM BLOCK HDR 10POS R/A 5.08MM"
P5: "CONN HEADER 26POS .100 STR 30AU"
P6: "Header, 3-Pin"
P7 P8 P9 P11 P12 P14 P17 P18 P20 P21 P23 P24: "TERM BLOCK HDR 2POS R/A 5.08MM"
P10 P13 P15: "CONN MOD JACK R/A 6P6C"
P16: "CONN HEADER .050\" 4POS PCB R/A"
P19: "CONN FMALE 40POS DL .1\" GOLD SMD"
P22: "CONN HEADER 8POS .100\" VERT TIN"
P25 P26: library part "Header 2", "CONN HEADER VERT 2POS .100 TIN"
Q1 Q5: library part IRLML6302, "HEXFET Power MOSFET"
Q6 Q7 Q8 Q10: library part 2N3904, "TRANSISTOR NPN 40V 200MA SOT-23"
Q9: library part 2N3906, "IC AMP PNP 40V 200MA SOT-23"
R1 R2 R3 R4 R9 R10 R11 R12 R13 R14 R15 R16 R17 R18 R29 R30 R44 R45 R58 R59 R76 R77 R80 R81 R105: library part Res3, "RES 10K OHM 1/10W 5% 0603 SMD"
R5: library part Res3, "RES 1M OHM 1/10W 1% 0603 SMD"
R6 R94 R110 R115: library part Res3, "RES 1K OHM 1/10W 1% 0603"
R7 R8 R52 R53 R54 R55 R67 R68 R69 R70 R71 R72 R84 R85 R86 R87 R88 R89 R90 R91 R96 R97 R98 R99 R100 R101 R102: library part Res3, "RES 330 OHM 1/10W 5% 0603"
R19 R22 R23 R24 R25 R26 R27 R28 R31 R32 R35 R36 R37 R38 R39 R40 R41 R112: library part Res3, "RES 10 OHM 1/8W 5% 0805"
R20: library part Res3, "RES 0.0 OHM 1/4W JUMP 1206"
R33 R34 R48 R49 R63 R64 R78 R79 R82 R83: library part Res3, "RES 1.5K OHM 1/4W 5% 1206"
R42 R43 R46 R47 R50 R51 R56 R57 R61 R62 R65 R66 R74 R75: library part Res3, "RES 47 OHM .4W 2% 0204 MELF"
R60: library part Res3, "RES 100 OHM 1/8W 5% 0805"
R73: library part Res3, "RES 2.2K OHM 1/10W 5% 0603"
R93 R103 R106: library part Res3, "RES 240K OHM 1/10W 1% 0603"
R95 R104 R107: library part Res3, "RES 100K OHM 1/10W 1% 0603"
R109: library part Res3, "RES 1.69K OHM 1/10W 1% 0603"
R113 R116: library part Res3, "RES 100K OHM 1/10W 5% 0603"
R114: library part Res3, "RES 3.09K OHM 1/10W 1% 0603 SMD"
R117: library part Res3, "RES 10K OHM 1/10W 1% 0603"
R118 R120: library part Res3, "RES 4.02K OHM 1/10W 1% 0603"
R119: library part Res3, "RES 10M OHM 1/10W 5% 0603"
R121 R123 R127: library part Res3, "RES 7.5K OHM 1/10W 5% 0603"
R122: library part Res3, "RES 0.0 OHM 1/10W JUMP 0402 SMD"
R124 R125 R126 R128: library part Res3, "RES 4.7K OHM 1/10W 1% 0603"
RT1: library part "Res Thermal", "CURRENT LIMITER INRUSH 10OHM 20%"
S1: library part SW-PB, "SWITCH TACTILE SPST-NO 0.05A 12V"
S2: "SWITCH ROCKER SPDT 5A 120V"
U1 U3 U5: library part MAX4821, "3.3V/+5V, 8-Channel, Cascadable Relay Drivers  with Serial/Parallel Interface"
U2 U4: library part MCP23017, "16-Bit I/O Expander with Serial Interface"
U6: "IC RTC CLK/CALENDAR I2C 8-SOIC"
U7 U8 U9 U10 U14 U15 U19 U20 U21 U22: "OPTOCOUPLER TRANS 5KVRMS 4DIP"
U11 U25 U27: "IC INVERTER 10-INPUT 24TSSOP"
U12 U13 U17 U18: library part CM1293A, "TVS DIODE 3.3VWM 9.9VC SC74"
U16: "IC I2C TO 1WIRE BRIDGE 8SOIC"
U26: library part LMC662, "IC OPAMP GP 2.2MHZ 8SOIC"
U28: "IC OPAMP GP 1.4MHZ RRO 14SOIC"
U29: "IC DGTL POT 256POS SOT23-8"
U30 U34 U39: "IC SHIFT LATCH REG SIPO 16-TSSOP"
U31: "IC ADC 10BIT 4CH W/I2C 16-TSSOP"
U32 U37: library part LM2576HVSX-5.0, "IC REG BUCK 3A TO263-5"
U33: "IC VREF SERIES PREC 3.3V SOT23-5"
U35: "IC COUNTER 12STAGE BIN 16-TSSOP"
U36: "IC LED DRVR SBT CCR DPAK"
U38: "IC AMP AUDIO 3.7W STER D 14TDFN"
U40: "Technical Information for Carbon Monoxide Sensors"

## Free pads (board coordinates)
  round 1 smd mask+1: 1(379.349,351.028) 1(674.751,351.028) 1(674.751,570.865)
  round 1 smd far side mask+1: 1(379.349,351.028) 1(674.751,351.028) 1(674.751,570.865)
  round 1.524 hole 3.4: 12(402.209,351.917) 12(402.209,511.556) 12(508.889,568.833) 12(607.314,356.235) 12(652.272,351.917) 12(652.272,568.833)
  round 1.524 hole 4: 12(571.373,430.53) 12(571.373,490.093)

## Via types
v1: diameter 0.8, hole 0.3, Top Layer to Bottom Layer, 1059 vias
v2: diameter 1.27, hole 0.711, Top Layer to Bottom Layer, 66 vias
v3: diameter 0.66, hole 0.33, Top Layer to Bottom Layer, tented top, 2 vias